# Altium PCB CryptUS_RevB_ASM.PcbDoc (part 1 of 3) (continued)
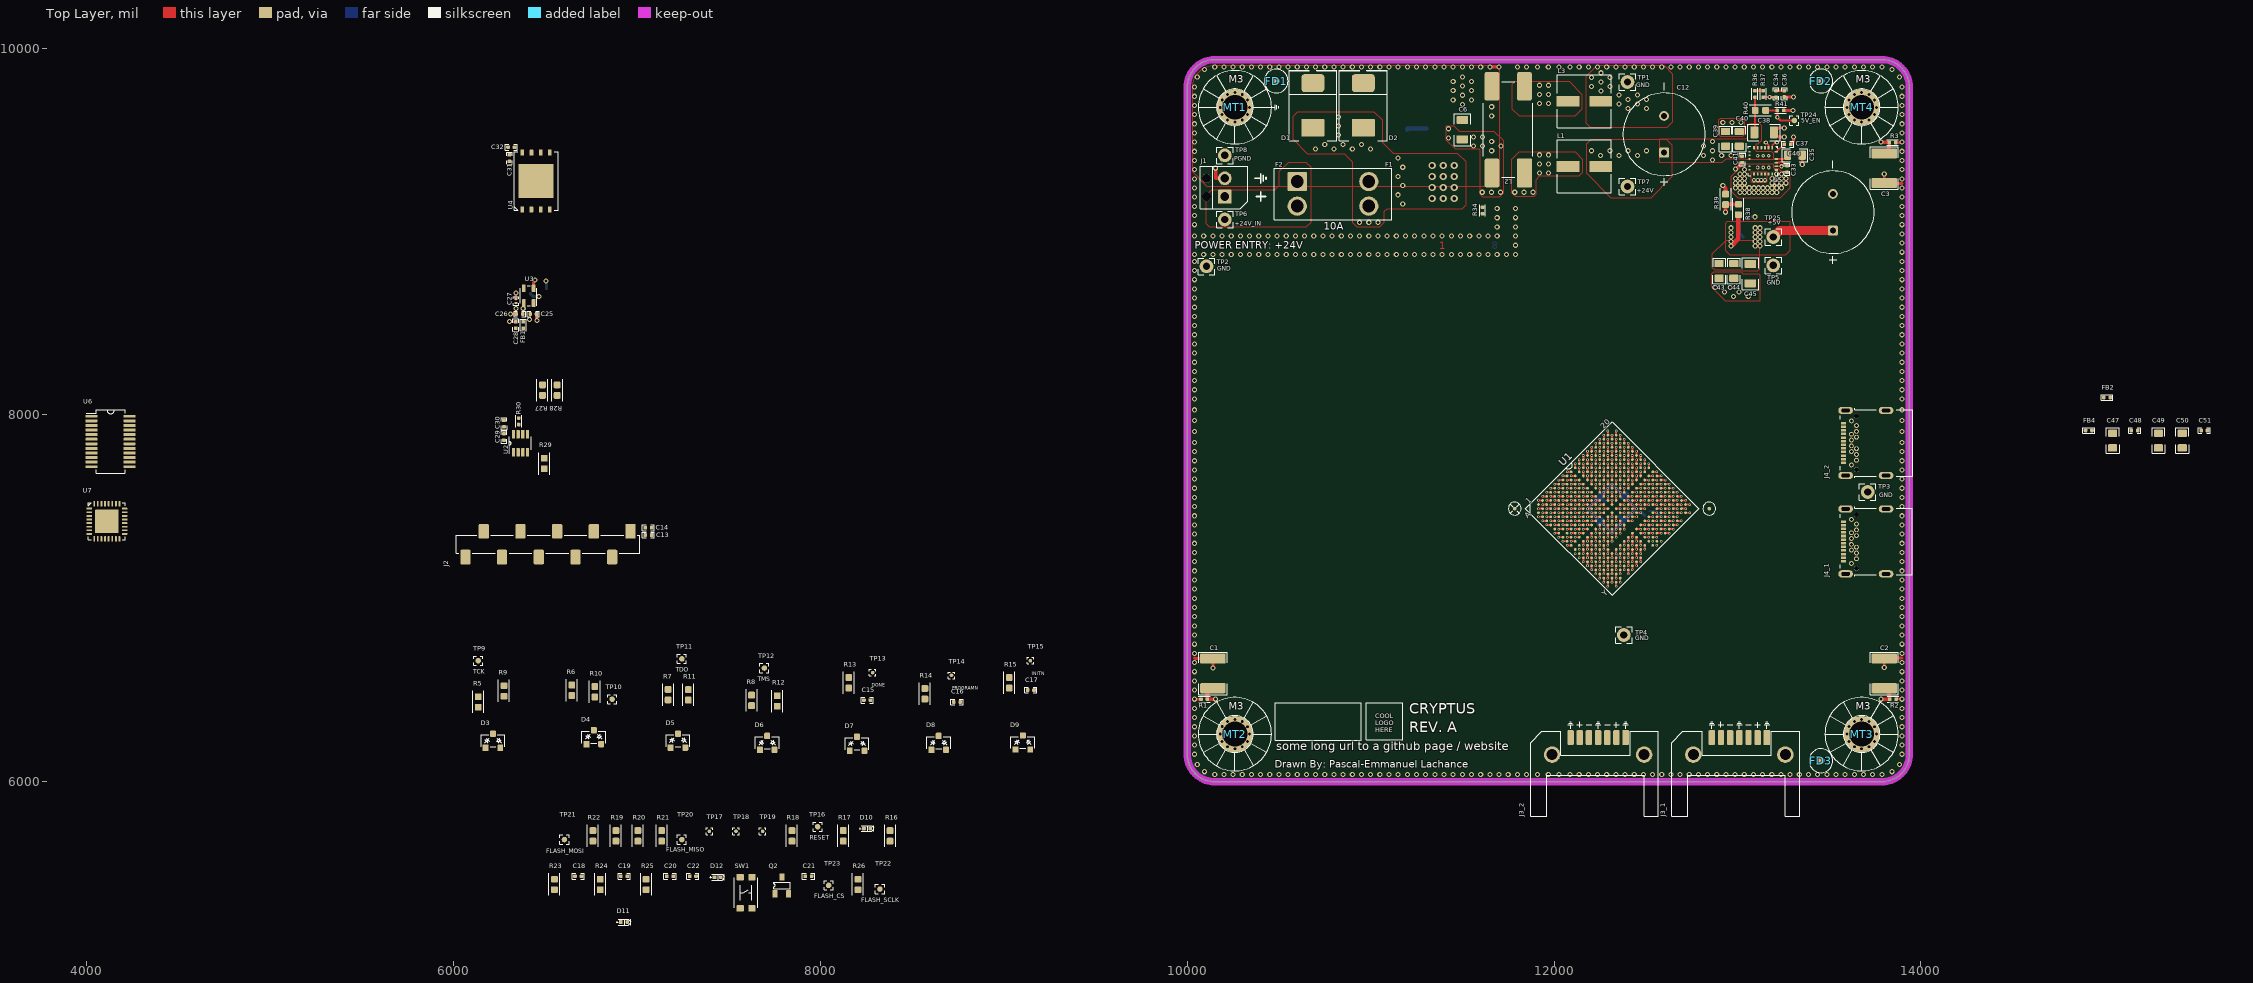
[diagram p0: Top Layer view]
## Components (designator, comment, footprint, x,y, rotation, side; value= is the part's Value field where it differs from the comment)
C1 "220nF" CAP_1812#1 10140,6591 r90 top
C2 "220nF" CAP_1812#1 13800,6591 r90 top
C3 "220nF" CAP_1812#1 13800,9345 r270 top
C4 "220nF" CAP_1812#2 10960,9687 r90 bottom
C5 "220nF" CAP_1812#2 10685,9687 r90 bottom
C6 "47uF" CAP_1206 11500,9555 r90 top
C7 "47uF" CAP_1206 11940,9555 r90 bottom
C8 "47uF" CAP_1206 12503.51,9555 r90 bottom
C9 "47uF" CAP_1206 12408.51,9555 r90 bottom
C10 "47uF" CAP_1206 12313.51,9555 r90 bottom
C11 "47uF" CAP_1206 12218.51,9555 r90 bottom
C12 "100uF" 100ZLH100MEFC10X20 12600,9530 r90 top
C13 "100nF" CAP_0402 7062.5,7345 r0 top
C14 "100nF" CAP_0402 7062.5,7385 r0 top
C15 "100nF" CAP_0402 8255,6445 r0 top
C16 "100nF" CAP_0402 8745,6435 r0 top
C17 "100nF" CAP_0402 9147.5,6500 r0 top
C18 "100nF" CAP_0402 6680,5485 r0 top
C19 "100nF" CAP_0402 6930,5485 r0 top
C20 "100nF" CAP_0402 7180,5485 r0 top
C21 "100nF" CAP_0402 7935,5485 r0 top
C22 "220pF" CAP_0402 7305,5485 r0 top
C23 "47uF" CAP_1206 6505,8635 r90 bottom
C24 "4.7uF" CAP_0805 6420,8620 r90 bottom
C25 "100nF" CAP_0402 6435.32,8550 r0 top
C26 "220pF" CAP_0402 6360.32,8550 r180 top
C27 "47nF" CAP_0201 6340,8621 r90 top
C28 "100nF" CAP_0402 6340,8490 r90 top
C29 "100nF" CAP_0402 6275,7880 r270 top
C30 "100nF" CAP_0402 6275,7952.5 r90 top
C31 "100nF" CAP_0402 6305,9400 r270 top
C32 "100nF" CAP_0402 6315,9460 r180 top
C33 "100nF" CAP_0402 13270,9340 r90 top
C34 "220pF" CAP_0402 13210,9750 r90 top
C35 "4.7uF" CAP_0805 13313,9416 r0 top
C36 "220pF" CAP_0402 13255,9750.2 r270 top
C37 "100nF" CAP_0402 13273,9476 r0 top
C38 "47uF" CAP_1206 13145,9540 r0 top
C39 "4.7uF" CAP_0805 12935,9505 r90 top
C40 "4.7uF" CAP_0805 13010,9505 r90 top
C41 "470nF" CAP_0402 13025,9392.5 r270 top
C42 "470nF" CAP_0402 13030,9080 r0 bottom
C43 "4.7uF" CAP_0805 12900,8785 r270 top
C44 "4.7uF" CAP_0805 12980,8785 r270 top
C45 "47uF" CAP_1206 13070,8770 r270 top
C46 "100uF" 100ZLH100MEFC10X20 13520,9105 r90 top
C47 "4.7uF" CAP_0805 15045,7860 r90 top
C48 "100nF" CAP_0402 15165,7915 r0 top
C49 "4.7uF" CAP_0805 15295,7860 r90 top
C50 "4.7uF" CAP_0805 15425,7860 r90 top
C51 "470nF" CAP_0402 15545,7915 r0 top
C54 "100nF" CAP_0402 12507.37,7462.37 r225 bottom
C55 "10nF" CAP_0201 12360.46,7244.08 r0 bottom
C56 "10nF" CAP_0201 12360.46,7199.54 r270 bottom
C57 "10nF" CAP_0201 12583.17,7422.25 r270 bottom
C58 "100nF" CAP_0402 12285,7520 r315 bottom
C59 "100nF" CAP_0402 12235,7570 r135 bottom
C60 "10nF" CAP_0201 12338.19,7622.69 r0 bottom
C61 "10nF" CAP_0201 12293.64,7622.69 r90 bottom
C62 "10nF" CAP_0201 12293.64,7578.15 r0 bottom
C63 "10nF" CAP_0201 12226.83,7511.34 r270 bottom
C64 "10nF" CAP_0201 12182.29,7511.34 r180 bottom
C65 "10nF" CAP_0201 12182.29,7466.8 r270 bottom
C66 "100nF" CAP_0402 12345,7460 r135 bottom
C67 "100nF" CAP_0402 12395,7410 r315 bottom
C68 "10nF" CAP_0201 12449.54,7511.34 r90 bottom
C69 "10nF" CAP_0201 12449.54,7466.8 r0 bottom
C70 "10nF" CAP_0201 12405,7466.8 r90 bottom
C71 "10nF" CAP_0201 12338.19,7399.98 r180 bottom
C72 "10nF" CAP_0201 12338.19,7355.44 r270 bottom
C73 "10nF" CAP_0201 12293.64,7355.44 r180 bottom
C74 "100nF" CAP_0402 12275,7445 r45 bottom
C75 "10nF" CAP_0201 12293.64,7399.98 r90 bottom
C76 "10nF" CAP_0201 12230,7400 r225 bottom
C77 "10nF" CAP_0201 12226.83,7466.8 r0 bottom
C78 "100nF" CAP_0402 12357.63,7532.63 r225 bottom
C79 "10nF" CAP_0201 12338.19,7578.15 r270 bottom
C80 "10nF" CAP_0201 12405,7580 r45 bottom
C81 "10nF" CAP_0201 12405,7511.34 r180 bottom
C82 "100nF" CAP_0402 12337.63,7287.37 r135 bottom
C83 "10nF" CAP_0201 12427.27,7310.9 r270 bottom
C84 "10nF" CAP_0201 12494.08,7377.71 r0 bottom
C85 "10nF" CAP_0201 12538.63,7422.25 r270 bottom
D1 "5.0SMDJ22CA" "DO214AB (SMC)" 10685,9687 r90 top
D2 "5.0SMDJ22CA" "DO214AB (SMC)" 10960,9687 r90 top
D3 "BAV99" MMBD7000-7-F 6215,6223 r0 top
D4 "BAV99" MMBD7000-7-F 6765,6243 r0 top
D5 "BAV99" MMBD7000-7-F 7224,6224 r0 top
D6 "BAV99" MMBD7000-7-F 7710,6212 r0 top
D7 "BAV99" MMBD7000-7-F 8200,6207 r0 top
D8 "BAV99" MMBD7000-7-F 8645,6212 r0 top
D9 "BAV99" MMBD7000-7-F 9104,6214 r0 top
D10 "HRTBT" LED_0402 8255,5745 r0 top
D11 "DONE" LED_0402 6930,5235 r0 top
D12 "STATUS" LED_0402 7440,5480 r0 top
F1 "0297010.WXNV" 0297010.WXNV 10795,9205 r0 top
F2 "3568" 3568 10795,9205 r0 top
FB1 "MPZ1005S900HT000" IND_0402 6380,8490 r90 top
FB2 "MPZ1005S900HT000" IND_0402 15014.68,8094.69 r0 top
FB4 "MPZ1005S900HT000" IND_0402 14915,7915 r0 top
FD1 "FIDUCIAL" FIDUCIAL 10485,9820 r0 top
FD2 "FIDUCIAL" FIDUCIAL 13455,9820 r0 top locked
FD3 "FIDUCIAL" FIDUCIAL 13455,6115 r0 top locked
FD4 "FIDUCIAL" FIDUCIAL 10485,9820 r180 bottom locked
FD5 "FIDUCIAL" FIDUCIAL 13455,9820 r180 bottom locked
FD6 "FIDUCIAL" FIDUCIAL 13455,6115 r180 bottom locked
J1 "2 POS TERM BLOCK" TERM-2_90_100MIL 10205,9240 r90 top
J2 "SSM-110-L-SV" SSM-110-L-SV 6515,7295 r180 top
J3_1 "5607-4200-SH" 5607-4200-SH 13010,5995 r180 top (schematic designator J3)
J3_2 "5607-4200-SH" 5607-4200-SH 12240,5995 r180 top (schematic designator J3)
J4_1 "UJ31-CH-G2-SMT-TR" UJ31-CH-G2-SMT-TR 13756.32,7310 r90 top (schematic designator J4)
J4_2 "UJ31-CH-G2-SMT-TR" UJ31-CH-G2-SMT-TR 13756.32,7846.9 r90 top (schematic designator J4)
L1 "744314150" 744314150 12165,9355 r0 top
L2 "PLT10HH501100PNL" PLT10HH501100PNL 11750,9555 r90 top
L3 "744314150" 744314150 12165,9710 r180 top
L4 "B82559B0203A016" B82559B0203A016 13030,9475 r180 bottom
MT1 "M3" MTH_M3 10260,9677.01 r0 top locked
MT2 "M3" MTH_M3 10260,6260 r0 top locked
MT3 "M3" MTH_M3 13677.01,6260 r0 top locked
MT4 "M3" MTH_M3 13677.01,9677.01 r0 top locked
Q1 "FQD11P06TM" FQD11P06TM 11395,9420 r0 bottom
Q2 "DMN6140L-7" SOT23-3 7790,5435 r0 top
R1 "1M" RES_0402 10092.5,6450 r180 top
R2 "1M" RES_0402 13847.5,6450 r0 top
R3 "1M" RES_0402 13845,9485 r0 top
R4 "100K" RES_0603 11200,9590 r90 bottom
R5 "4K7" RES_0603 6135,6435 r90 top
R6 "4K7" RES_0603 6645,6498.54 r90 top
R7 "4K7" RES_0603 7170,6475 r90 top
R8 "4K7" RES_0603 7625,6443.54 r90 top
R9 "4K7" RES_0603 6275,6495 r90 top
R10 "4K7" RES_0603 6770,6490 r90 top
R11 "4K7" RES_0603 7280,6473.54 r90 top
R12 "4K7" RES_0603 7765,6440 r90 top
R13 "4K7" RES_0603 8155,6540 r90 top
R14 "4K7" RES_0603 8570,6480 r90 top
R15 "4K7" RES_0603 9030,6540 r90 top
R16 "300R" RES_0603 8380,5705 r90 top
R17 "300R" RES_0603 8125,5705 r90 top
R18 "1K" RES_0603 7845,5705 r90 top
R19 "4K7" RES_0603 6885,5705 r90 top
R20 "4K7" RES_0603 7005,5705 r90 top
R21 "4K7" RES_0603 7135,5705 r90 top
R22 "300R" RES_0603 6760,5705 r90 top
R23 "0R" RES_0603 6550,5440 r90 top
R24 "0R" RES_0603 6800,5440 r90 top
R25 "0R" RES_0603 7050,5440 r90 top
R26 "4K7" RES_0603 8205,5440 r90 top
R27 "4K7" RES_0603 6485,8135 r270 top
R28 "4K7" RES_0603 6565,8135 r270 top
R29 "4K7" RES_0603 6495,7735 r90 top
R30 "100R" RES_0402 6355,7965 r90 top
R31 "0R" RES_0603 6485,8135 r90 bottom
R32 "0R" RES_0603 6565,8135 r90 bottom
R33 "0R" RES_0603 6495,7735 r270 bottom
R34 "1M" RES_0402 11610,9115 r270 top
R35 "10mR" RES_2512 12915,8970 r0 bottom
R36 "75K" RES_0402 13095,9750 r90 top
R37 "500K" RES_0402 13140,9750 r270 top
R38 "2K2" RES_0603 13005,9120 r90 top
R39 "300R" RES_0603 12935,9175 r90 top
R40 "2K2" RES_0603 13125,9660 r0 top
R41 "500K" RES_0402 13235,9660 r0 top
SW1 "RESET" KMR621NGLFS 7595,5395 r90 top
TP1 "GND" TP_HOLE 12400,9815 r0 top
TP2 "GND" TP_HOLE 10105,8810 r0 top
TP3 "GND" TP_HOLE 13710,7580 r0 top
TP4 "GND" TP_HOLE 12380,6800 r0 top
TP5 "GND" TP_HOLE 13195,8815 r0 top
TP6 "+24V_IN" TP_HOLE 10205,9065 r0 top
TP7 "+24V" TP_HOLE 12400,9245 r0 top
TP8 "PGND" TP_HOLE 10205,9415 r0 top
TP9 "TCK" TP_PAD_SMALL 6135,6660 r0 top
TP10 "TDI" TP_PAD_SMALL 6865,6450 r0 top
TP11 "TDO" TP_PAD_SMALL 7245,6670 r0 top
TP12 "TMS" TP_PAD_SMALL 7695,6620 r0 top
TP13 "DONE" TP_PAD_TINY 8285,6595 r90 top
TP14 "PROGRAMN" TP_PAD_TINY 8715,6580 r90 top
TP15 "INITN" TP_PAD_TINY 9145,6660 r90 top
TP16 "RESET" TP_PAD_SMALL 7985,5755 r0 top
TP17 "CFG0" TP_PAD_TINY 7395,5730 r90 top
TP18 "CFG1" TP_PAD_TINY 7540,5730 r90 top
TP19 "CFG2" TP_PAD_TINY 7685,5730 r90 top
TP20 "FLASH_MISO" TP_PAD_SMALL 7245,5685 r90 top
TP21 "FLASH_MOSI" TP_PAD_SMALL 6605,5685 r90 top
TP22 "FLASH_SCLK" TP_PAD_SMALL 8325,5415 r90 top
TP23 "FLASH_CS" TP_PAD_SMALL 8045,5435 r90 top
TP24 "5V_EN" TP_PAD_SMALL 13310,9605 r0 top
TP25 "+5V" TP_HOLE 13195,8970 r0 top
U1 "Lattice ECP-5 - LFE5UM-45F-8BG381C" CABGA-381 12315.92,7489.07 r45 top locked
U2 "MAX6372KA+T" SOT23-8 6365,7845 r0 top
U3 "TG2520SMN 50.0000M-MCGNNM3" TG2520SMN 6410,8650 r90 top
U4 "S25FS512SAGNFI010" s25FL256LAGNFV010 6450,9275 r90 top
U5 "AOZ2255LQI-31" AOZ2255LQI-31 13140,9385 r270 top
U6 "MAX11643EEGT" MAX11643EEG+ 4130,7855 r0 top
U7 "AD9235BCPZRL7-40" AD9235BCPZRL7-40 4110,7420 r0 top

## Footprints (in the part's own frame and the unit in brackets; to place one, negate y for a bottom-side part, rotate by r counter-clockwise, add the part's x,y. Pads: shape width x height; smd on the part's side, far side on the other; paste and mask are expansions set on the pad)
100ZLH100MEFC10X20 [mil] "Can Electrolytic Capacitor"
  rrect25% 54x54 hole 34: 1(-100,0)
  round 54 hole 34: 2(100,0)
  round 7.5 on Mech2: ""(-100,0)
  silkscreen extent -280,-225 280,225
3568 [mil] "Keystone Fuse Holder"
  rrect10% 105x105 hole 70: 1(-195,67)
  round 105 hole 70: 2(-195,-67) 3(195,-67) 4(195,67)
  round 7.5 on Mech2: ""(-195,67)
  silkscreen extent -320,-140 320,140
5607-4200-SH [mil]
  rrect10% 35x80 smd: 1(-150,-246)
  rrect33% 35x80 smd: 2(-100,-246) 3(-50,-246) 4(0,-246) 5(50,-246) 6(100,-246) 7(150,-246)
  round 90 hole 60: 8(-250.79,-153.15) 9(250.79,-153.15)
  round 20 on Top Overlay: ""(-184,-304)
  round 7.5 on Mech2: ""(-150,-246)
  silkscreen extent -329,-333 368,183
0297010.WXNV [mil] "10A Fuse WITHOUT HOLDER"
744314150 [mil]
  rect 124x59 smd: 1(-89.5,0) 2(89.5,0)
  round 7.5 on Mech2: ""(-89.5,0)
  silkscreen extent -147,-145 147,145
AD9235BCPZRL7-40 [mil] "QFN-32 (5x5)"
  rrect10% 30x10 smd: 1(-96.5,68.9)
  rrect33% 30x10 smd: 2(-96.5,49.21) 3(-96.5,29.53) 4(-96.5,9.84) 5(-96.5,-9.84) 6(-96.5,-29.53) 7(-96.5,-49.21) 8(-96.5,-68.9) 17(96.5,-68.9) 18(96.5,-49.21) 19(96.5,-29.53) 20(96.5,-9.84) 21(96.5,9.84) 22(96.5,29.53) 23(96.5,49.21) 24(96.5,68.9)
  rrect33% 10x30 smd: 9(-68.9,-96.5) 10(-49.21,-96.5) 11(-29.53,-96.5) 12(-9.84,-96.5) 13(9.84,-96.5) 14(29.53,-96.5) 15(49.21,-96.5) 16(68.9,-96.5) 25(68.9,96.5) 26(49.21,96.5) 27(29.53,96.5) 28(9.84,96.5) 29(-9.84,96.5) 30(-29.53,96.5) 31(-49.21,96.5) 32(-68.9,96.5)
  rrect5% 128x128 smd paste+0: 33(0,0)
  round 15 on Top Overlay: ""(-130,68.53)
  round 7.5 on Mech2: ""(-96.5,68.9)
  silkscreen extent -100,-100 100,100
AOZ2255LQI-31 [mm] "PowerVFQFN-22"
  rrect10% 0.45x0.25 smd: 1(-1.825,1.25)
  rrect25% 0.45x0.25 smd: 2(-1.825,0.75) 3(-1.825,0.25) 4(-1.825,-0.25) 5(-1.825,-0.75) 6(-1.825,-1.25) 12(1.825,-1.25) 13(1.825,-0.75) 14(1.825,-0.25) 15(1.825,0.25) 16(1.825,0.75) 17(1.825,1.25)
  rrect25% 0.229x0.305 smd: 7(-1.245,-1.88) 8(-0.762,-1.88) 9(-0.254,-1.88) 10(0.737,-1.88) 11(1.245,-1.88)
  rrect25% 0.25x0.45 smd: 18(1.25,1.825) 19(0.75,1.825) 20(0.25,1.825) 21(-0.25,1.825) 22(-1.25,1.825)
  round 0.203 on Top Overlay: ""(-2.337,1.245)
  round 0.191 on Mech2: ""(-1.825,1.25)
  silkscreen extent -2.05,-2.05 2.05,2.05
B82559B0203A016 [mil] "Shielded inductor"
  rrect25% 170x200 smd: 1(-230,-300) 2(230,-300) 3(0,300)
  round 7.5 on Mech3: ""(-230,-300)
  silkscreen extent -400,-370 400,369
CABGA-381 [mm]
  round 0.508 smd paste-25.375 mask+0: 1(-9.525,9.525) 1(9.525,-9.525)
  round 0.37 smd paste-25.375: A2(-6.8,7.6) A3(-6,7.6) A4(-5.2,7.6) A5(-4.4,7.6) A6(-3.6,7.6) A7(-2.8,7.6) A8(-2,7.6) A9(-1.2,7.6) A10(-0.4,7.6) A11(0.4,7.6) A12(1.2,7.6) A13(2,7.6) A14(2.8,7.6) A15(3.6,7.6) A16(4.4,7.6) A17(5.2,7.6) A18(6,7.6) A19(6.8,7.6) B1(-7.6,6.8) B2(-6.8,6.8) B3(-6,6.8) B4(-5.2,6.8) B5(-4.4,6.8) B6(-3.6,6.8) B7(-2.8,6.8) B8(-2,6.8) B9(-1.2,6.8) B10(-0.4,6.8) B11(0.4,6.8) B12(1.2,6.8) B13(2,6.8) B14(2.8,6.8) B15(3.6,6.8) B16(4.4,6.8) B17(5.2,6.8) B18(6,6.8) B19(6.8,6.8) B20(7.6,6.8) C1(-7.6,6) C2(-6.8,6) C3(-6,6) C4(-5.2,6) C5(-4.4,6) C6(-3.6,6) C7(-2.8,6) C8(-2,6) C9(-1.2,6) C10(-0.4,6) C11(0.4,6) C12(1.2,6) C13(2,6) C14(2.8,6) C15(3.6,6) C16(4.4,6) C17(5.2,6) C18(6,6) C19(6.8,6) C20(7.6,6) D1(-7.6,5.2) D2(-6.8,5.2) D3(-6,5.2) D4(-5.2,5.2) D5(-4.4,5.2) D6(-3.6,5.2) D7(-2.8,5.2) D8(-2,5.2) D9(-1.2,5.2) D10(-0.4,5.2) D11(0.4,5.2) D12(1.2,5.2) D13(2,5.2) D14(2.8,5.2) D15(3.6,5.2) D16(4.4,5.2) D17(5.2,5.2) D18(6,5.2) D19(6.8,5.2) D20(7.6,5.2) E1(-7.6,4.4) E2(-6.8,4.4) E3(-6,4.4) E4(-5.2,4.4) E5(-4.4,4.4) E6(-3.6,4.4) E7(-2.8,4.4) E8(-2,4.4) E9(-1.2,4.4) E10(-0.4,4.4) E11(0.4,4.4) E12(1.2,4.4) E13(2,4.4) E14(2.8,4.4) E15(3.6,4.4) E16(4.4,4.4) E17(5.2,4.4) E18(6,4.4) E19(6.8,4.4) E20(7.6,4.4) F1(-7.6,3.6) F2(-6.8,3.6) F3(-6,3.6) F4(-5.2,3.6) F5(-4.4,3.6) F6(-3.6,3.6) F7(-2.8,3.6) F8(-2,3.6) F9(-1.2,3.6) F10(-0.4,3.6) F11(0.4,3.6) F12(1.2,3.6) F13(2,3.6) F14(2.8,3.6) F15(3.6,3.6) F16(4.4,3.6) F17(5.2,3.6) F18(6,3.6) F19(6.8,3.6) F20(7.6,3.6) G1(-7.6,2.8) G2(-6.8,2.8) G3(-6,2.8) G4(-5.2,2.8) G5(-4.4,2.8) G6(-3.6,2.8) G7(-2.8,2.8) G8(-2,2.8) G9(-1.2,2.8) G10(-0.4,2.8) G11(0.4,2.8) G12(1.2,2.8) G13(2,2.8) G14(2.8,2.8) G15(3.6,2.8) G16(4.4,2.8) G17(5.2,2.8) G18(6,2.8) G19(6.8,2.8) G20(7.6,2.8) H1(-7.6,2) H2(-6.8,2) H3(-6,2) H4(-5.2,2) H5(-4.4,2) H6(-3.6,2) H7(-2.8,2) H8(-2,2) H9(-1.2,2) H10(-0.4,2) H11(0.4,2) H12(1.2,2) H13(2,2) H14(2.8,2) H15(3.6,2) H16(4.4,2) H17(5.2,2) H18(6,2) H19(6.8,2) H20(7.6,2) J1(-7.6,1.2) J2(-6.8,1.2) J3(-6,1.2) J4(-5.2,1.2) J5(-4.4,1.2) J6(-3.6,1.2) J7(-2.8,1.2) J8(-2,1.2) J9(-1.2,1.2) J10(-0.4,1.2) J11(0.4,1.2) J12(1.2,1.2) J13(2,1.2) J14(2.8,1.2) J15(3.6,1.2) J16(4.4,1.2) J17(5.2,1.2) J18(6,1.2) J19(6.8,1.2) J20(7.6,1.2) K1(-7.6,0.4) K2(-6.8,0.4) K3(-6,0.4) K4(-5.2,0.4) K5(-4.4,0.4) K6(-3.6,0.4) K7(-2.8,0.4) K8(-2,0.4) K9(-1.2,0.4) K10(-0.4,0.4) K11(0.4,0.4) K12(1.2,0.4) K13(2,0.4) K14(2.8,0.4) K15(3.6,0.4) K16(4.4,0.4) K17(5.2,0.4) K18(6,0.4) K19(6.8,0.4) K20(7.6,0.4) L1(-7.6,-0.4) L2(-6.8,-0.4) L3(-6,-0.4) L4(-5.2,-0.4) L5(-4.4,-0.4) L6(-3.6,-0.4) L7(-2.8,-0.4) L8(-2,-0.4) L9(-1.2,-0.4) L10(-0.4,-0.4) L11(0.4,-0.4) L12(1.2,-0.4) L13(2,-0.4) L14(2.8,-0.4) L15(3.6,-0.4) L16(4.4,-0.4) L17(5.2,-0.4) L18(6,-0.4) L19(6.8,-0.4) L20(7.6,-0.4) M1(-7.6,-1.2) M2(-6.8,-1.2) M3(-6,-1.2) M4(-5.2,-1.2) M5(-4.4,-1.2) M6(-3.6,-1.2) M7(-2.8,-1.2) M8(-2,-1.2) M9(-1.2,-1.2) M10(-0.4,-1.2) M11(0.4,-1.2) M12(1.2,-1.2) M13(2,-1.2) M14(2.8,-1.2) M15(3.6,-1.2) M16(4.4,-1.2) M17(5.2,-1.2) M18(6,-1.2) M19(6.8,-1.2) M20(7.6,-1.2) N1(-7.6,-2) N2(-6.8,-2) N3(-6,-2) N4(-5.2,-2) N5(-4.4,-2) N6(-3.6,-2) N7(-2.8,-2) N8(-2,-2) N9(-1.2,-2) N10(-0.4,-2) N11(0.4,-2) N12(1.2,-2) N13(2,-2) N14(2.8,-2) N15(3.6,-2) N16(4.4,-2) N17(5.2,-2) N18(6,-2) N19(6.8,-2) N20(7.6,-2) P1(-7.6,-2.8) P2(-6.8,-2.8) P3(-6,-2.8) P4(-5.2,-2.8) P5(-4.4,-2.8) P6(-3.6,-2.8) P7(-2.8,-2.8) P8(-2,-2.8) P9(-1.2,-2.8) P10(-0.4,-2.8) P11(0.4,-2.8) P12(1.2,-2.8) P13(2,-2.8) P14(2.8,-2.8) P15(3.6,-2.8) P16(4.4,-2.8) P17(5.2,-2.8) P18(6,-2.8) P19(6.8,-2.8) P20(7.6,-2.8) R1(-7.6,-3.6) R2(-6.8,-3.6) R3(-6,-3.6) R4(-5.2,-3.6) R5(-4.4,-3.6) R16(4.4,-3.6) R17(5.2,-3.6) R18(6,-3.6) R19(6.8,-3.6) R20(7.6,-3.6) T1(-7.6,-4.4) T2(-6.8,-4.4) T3(-6,-4.4) T4(-5.2,-4.4) T5(-4.4,-4.4) T6(-3.6,-4.4) T7(-2.8,-4.4) T8(-2,-4.4) T9(-1.2,-4.4) T10(-0.4,-4.4) T11(0.4,-4.4) T12(1.2,-4.4) T13(2,-4.4) T14(2.8,-4.4) T15(3.6,-4.4) T16(4.4,-4.4) T17(5.2,-4.4) T18(6,-4.4) T19(6.8,-4.4) T20(7.6,-4.4) U1(-7.6,-5.2) U2(-6.8,-5.2) U3(-6,-5.2) U4(-5.2,-5.2) U5(-4.4,-5.2) U6(-3.6,-5.2) U7(-2.8,-5.2) U8(-2,-5.2) U9(-1.2,-5.2) U10(-0.4,-5.2) U11(0.4,-5.2) U12(1.2,-5.2) U13(2,-5.2) U14(2.8,-5.2) U15(3.6,-5.2) U16(4.4,-5.2) U17(5.2,-5.2) U18(6,-5.2) U19(6.8,-5.2) U20(7.6,-5.2) V1(-7.6,-6) V2(-6.8,-6) V3(-6,-6) V4(-5.2,-6) V5(-4.4,-6) V6(-3.6,-6) V7(-2.8,-6) V8(-2,-6) V9(-1.2,-6) V10(-0.4,-6) V11(0.4,-6) V12(1.2,-6) V13(2,-6) V14(2.8,-6) V15(3.6,-6) V16(4.4,-6) V17(5.2,-6) V18(6,-6) V19(6.8,-6) V20(7.6,-6) W1(-7.6,-6.8) W2(-6.8,-6.8) W3(-6,-6.8) W4(-5.2,-6.8) W5(-4.4,-6.8) W6(-3.6,-6.8) W7(-2.8,-6.8) W8(-2,-6.8) W9(-1.2,-6.8) W10(-0.4,-6.8) W11(0.4,-6.8) W12(1.2,-6.8) W13(2,-6.8) W14(2.8,-6.8) W15(3.6,-6.8) W16(4.4,-6.8) W17(5.2,-6.8) W18(6,-6.8) W19(6.8,-6.8) W20(7.6,-6.8) Y2(-6.8,-7.6) Y3(-6,-7.6) Y5(-4.4,-7.6) Y6(-3.6,-7.6) Y7(-2.8,-7.6) Y8(-2,-7.6) Y11(0.4,-7.6) Y12(1.2,-7.6) Y14(2.8,-7.6) Y15(3.6,-7.6) Y16(4.4,-7.6) Y17(5.2,-7.6) Y19(6.8,-7.6)
  silkscreen extent -10.41,-10.41 10.41,10.41
CAP_0201 [mil]
  rrect10% 13x16 smd paste-999 mask+0: 1(-11,0) 2(11,0)
  silkscreen extent -24,-15 24,15
CAP_0402 [mil]
  rrect50% 20x20 smd paste+0 mask+0: 1(-17.5,0) 2(17.5,0)
  silkscreen extent -33,-16 33,16
CAP_0805 [mil] "Generic 0805 capacitor"
  rrect25% 40x50 smd: 1(-40,0) 2(40,0)
  silkscreen extent -70,-35 70,35
CAP_1206 [mil]
  rrect25% 44x64 smd: 1(-53,0) 2(53,0)
  silkscreen extent -88,-45 88,45
CAP_1812#1 [mil]
  rrect25% 55x140 smd: 1(-81,0) 2(81,0)
  round 7.5 on Mech2: ""(-81,0)
  silkscreen extent -116,-77 116,77
CAP_1812#2 [mil]
  rrect25% 55x140 smd: 1(-81,0) 2(81,0)
  round 7.5 on Mech3: ""(-81,0)
  silkscreen extent -116,-77 116,77
"DO214AB (SMC)" [mil]
  rrect10% 97x125 smd: 1(-122,0)
  rrect33% 97x125 smd: 2(122,0)
  round 5 on Mech2: ""(-122,0)
  round 8 on Top Overlay: ""(-122,-145)
  silkscreen extent -193,-130 193,130
FIDUCIAL [mil]
  round 40 smd paste-999 mask+0: 1(0,0)
  silkscreen extent -65,-65 65,65
FQD11P06TM [mil]
  rrect10% 62x120 smd: 1(-90,-141)
  rrect33% 62x120 smd: 2(90,-141)
  rrect5% 230x250 smd paste-999: 3(0,145)
  round 20 on Bottom Overlay: ""(-143.31,-140.74)
  round 7.5 on Mech3: ""(-90,-141)
  silkscreen extent -129,-30 129,296
IND_0402 [mil]
  rrect60% 20x20 smd paste+0 mask+0: 1(-17.5,0) 2(17.5,0)
  round 5 on Mech2: ""(-17.5,0)
  silkscreen extent -32,-16 32,16
KMR621NGLFS [mil]
  rrect25% 35x40 smd: 1(-85,32) 2(-85,-32) 3(85,-32) 4(85,32)
  round 7.5 on Mech2: ""(-85,32)
  silkscreen extent -83,-64 83,64
LED_0402 [mil]
  rrect10% 20x20 smd paste+0 mask+0: 1(-17.5,0)
  rrect60% 20x20 smd paste+0 mask+0: 2(17.5,0)
  round 5 on Mech2: ""(-17.5,0)
  silkscreen extent -42,-16 37,16
MAX11643EEG+ [mil] "SSOP-24"
  rrect10% 65x16 smd: 1(-103.74,137.5)
  rrect33% 65x16 smd: 2(-103.74,112.5) 3(-103.74,87.5) 4(-103.74,62.5) 5(-103.74,37.5) 6(-103.74,12.5) 7(-103.74,-12.5) 8(-103.74,-37.5) 9(-103.74,-62.5) 10(-103.74,-87.5) 11(-103.74,-112.5) 12(-103.74,-137.5) 13(103.74,-137.5) 14(103.74,-112.5) 15(103.74,-87.5) 16(103.74,-62.5) 17(103.74,-37.5) 18(103.74,-12.5) 19(103.74,12.5) 20(103.74,37.5) 21(103.74,62.5) 22(103.74,87.5) 23(103.74,112.5) 24(103.74,137.5)
  round 10 on Top Overlay: ""(-150,138)
  round 7.5 on Mech2: ""(-103.74,137.5)
  silkscreen extent -133,-172 80,172
MMBD7000-7-F [mil]
  rrect10% 32x35 smd: 1(-40,-38)
  rrect33% 32x35 smd: 2(40,-38) 3(0,38)
  round 10 on Top Overlay: ""(-40,-69)
  round 7.5 on Mech2: ""(-40,-38)
  silkscreen extent -65,-32 65,32
MTH_M3 [mil]
  round 200 hole 135: 1(0,0)
  silkscreen extent -200,-200 200,200
PLT10HH501100PNL [mil]
  rrect10% 156x80 smd: 1(-236.22,-88.58)
  rrect25% 156x80 smd: 2(-236.22,88.58) 3(236.22,88.58) 4(236.22,-88.58)
  round 7.5 on Mech2: ""(-236.22,-88.58)
  silkscreen extent -260,-135 260,135
RES_0402 [mil] "0402 Generic Resistor"
  rrect60% 20x20 smd paste+0 mask+0: 1(-17.5,0) 2(17.5,0)
  silkscreen extent -32,-16 32,16
RES_0603 [mm]
  rrect37% 0.95x0.95 smd: 1(-0.725,0) 2(0.725,0)
  silkscreen extent -1.52,-0.76 1.52,0.76
RES_2512 [mil]
  rrect33% 62x136 smd: 1(-116,0) 2(116,0)
  silkscreen extent -160,-81 160,80
s25FL256LAGNFV010 [mil]
  rrect10% 32x20 smd: 1(-155,75)
  rrect25% 32x20 smd: 2(-155,25) 3(-155,-25) 4(-155,-75) 5(155,-75) 6(155,-25) 7(155,25) 8(155,75)
  rect 185x190 smd: 9(0,0)
  round 15 on Top Overlay: ""(-190,75)
  round 7.5 on Mech2: ""(-155,75)
  silkscreen extent -160,-120 160,120
SOT23-3 [mil]
  rrect10% 28x40 smd: 1(-37,-46)
  rrect25% 28x40 smd: 2(37,-46) 3(0,46)
  round 8 on Top Overlay: ""(-72,-43)
  round 5 on Mech2: ""(-37,-46)
  silkscreen extent -44,-18 46,18
SOT23-8 [mil]
  rrect10% 18x47 smd: 1(-38.39,-49.41)
  rrect33% 18x47 smd: 2(-12.8,-49.41) 3(12.8,-49.41) 4(38.39,-49.41) 5(38.39,49.41) 6(12.8,49.41) 7(-12.8,49.41) 8(-38.39,49.41)
  round 5 on Mech2: ""(-38.39,-49.41)
  round 8 on Top Overlay: ""(-38,-83)
  silkscreen extent -60,-56 60,35
SSM-110-L-SV [mil]
  rrect10% 56x80 smd: 1(-450,-70)
  rrect25% 56x80 smd: 2(-350,70) 3(-250,-70) 4(-150,70) 5(-50,-70) 6(50,70) 7(150,-70) 8(250,70) 9(350,-70) 10(450,70)
  round 15 on Top Overlay: ""(-450,-130)
  round 7.5 on Mech2: ""(-450,-70)
  silkscreen extent -500,-50 500,50
TERM-2_90_100MIL [mil] "Screw-in 2 pos Terminal Block 90deg 100mil pitch, based on 1725656"
  rrect10% 75x75 hole 48: 1(-50,0)
  round 75 hole 48: 2(50,0)
  round 48 hole 48 unplated: ""(-50,100) ""(50,100)
  round 15 on Top Overlay: ""(-50,-145)
  silkscreen extent -115,-125 115,135
TG2520SMN [mil] "4-SMD 2.5x2.0"
  rrect10% 42x20 smd: 1(-40,-26.57)
  rrect33% 42x20 smd: 2(40,-26.57) 3(40,26.57) 4(-40,26.57)
  round 15 on Top Overlay: ""(-80,-27)
  round 7.5 on Mech2: ""(-40,-26.57)
  silkscreen extent -55,-45 54,45
TP_HOLE [mil]
  round 75 hole 40: 1(0,0)
  silkscreen extent -45,-45 45,45
TP_PAD_SMALL [mil]
  round 30 smd paste-999: 1(0,0)
  silkscreen extent -25,-25 25,25
TP_PAD_TINY [mil]
  round 20 smd paste-999: 1(0,0)
  silkscreen extent -18,-18 18,18
UJ31-CH-G2-SMT-TR [mil]
  rect 13.78x27.56 smd: A1(-108,179) A2(-88.31,179) A3(-68.63,179) A4(-48.94,179) A5(-29.26,179) A6(-9.57,179) A7(10.11,179) A8(29.8,179) A9(49.48,179) A10(69.17,179) A11(88.85,179) A12(108.54,179)
  round 26 hole 16: B1(120.35,135.3) B2(94.76,107.74) B3(63.26,107.74) B4(47.51,135.3) B5(31.76,107.74) B6(16.02,135.3) B7(-15.48,135.3) B8(-31.23,107.74) B9(-46.98,135.3) B10(-62.72,107.74) B11(-94.22,107.74) B12(-119.81,135.3)
  oval 40x80 hole 20 slot 45 at 90 deg: SH1(-176.9,166.8) SH2(177.43,166.8) SH3(-176.9,-53.68) SH4(177.43,-53.68)
  round 26 hole 26 unplated: ""(-146.39,107.74) ""(146.92,107.74)
  round 7.5 on Mech2: ""(-108,179)
  round 20 on Top Overlay: ""(-108,219)
  silkscreen extent -190,-197 190,196